# Altium PCB Dahlia Carrier Board.PcbDoc (part 3 of 10)
Units mm, origin at the board's own origin, x right, y up, seen from the top; angles counter-clockwise.
Board outline 120 x 120 mm, 6 copper layers (Top Layer, GND, Layer 1, Layer 2, GND2, Bottom Layer), stack 1.558 mm thick; 879 components, 677 nets, 3194 pads, 1445 vias.
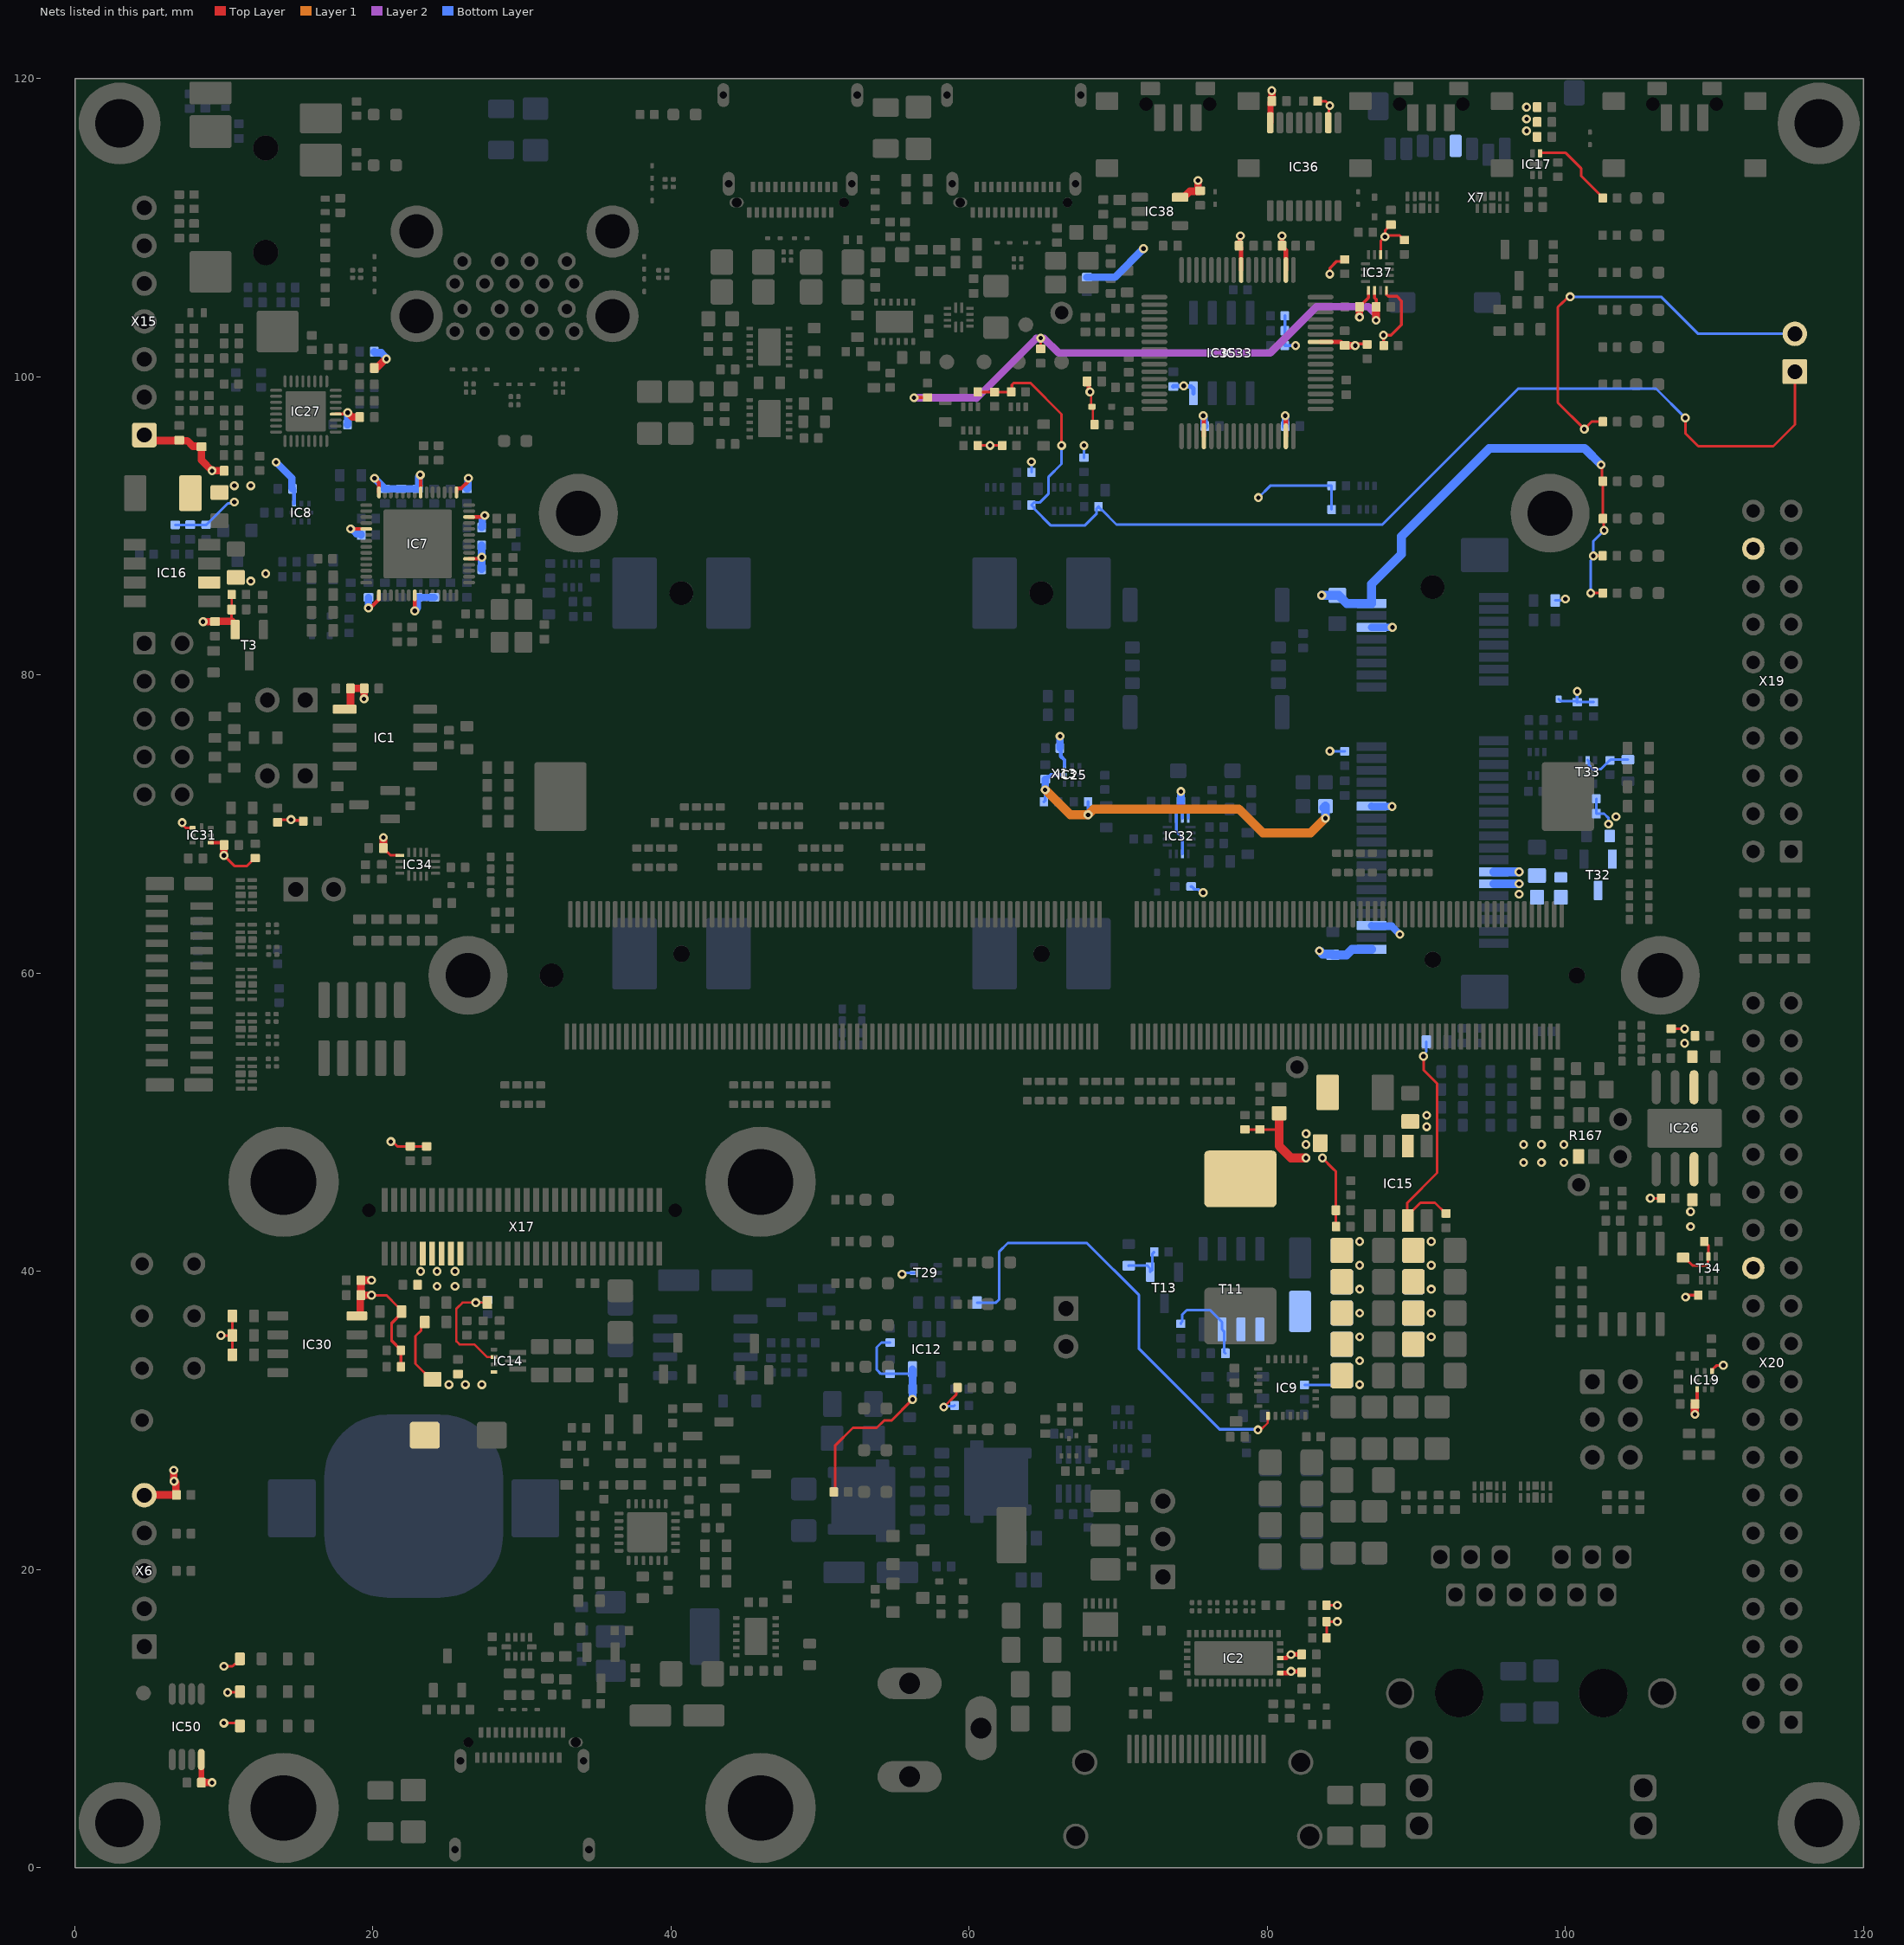
[diagram p7: the nets of this part, all layers, seen from the top]

## Footprints (in the part's own frame and the unit in brackets; to place one, negate y for a bottom-side part, rotate by r counter-clockwise, add the part's x,y. Pads: shape width x height; smd on the part's side, far side on the other; paste and mask are expansions set on the pad) (continued)
T_ONSEMI_NTMFS5C670NLT1G [mm]
  rrect30% 0.75x1 smd paste+0: 1(0,0) 2(1.27,0) 3(2.54,0) 4(3.81,0)
  rrect30% 0.6x0.905 smd paste+0: 5(-0.575,2.35) 6(4.375,2.35)
  rrect5% 4.56x4.3 smd paste-0.9: 5(1.905,3.635)
  rrect30% 0.75x0.905 smd paste+0: 7(3.81,5.56) 8(0,5.56)
  silkscreen extent -0.66,-0.61 4.38,5.77, body extent -0.67,-0.28 4.48,5.87, height 1.1
T_PANASONIC_EXC14CH120U [mm]
  rrect50% 0.35x0.3 smd: 1(-0.275,0.25) 2(-0.275,-0.25) 3(0.275,-0.25) 4(0.275,0.25)
  silkscreen extent -0.17,-0.5 0.17,0.5, body extent -0.32,-0.42 0.32,0.42, height 0.45
T_QFN50P400X400X100-22N [mm]
  rrect35% 0.55x0.25 smd: 1(-1.9,1.25) 2(-1.9,0.75) 3(-1.9,0.25) 4(-1.9,-0.25) 5(-1.9,-0.75) 6(-1.9,-1.25) 12(1.9,-1.25) 13(1.9,-0.75) 14(1.9,-0.25) 15(1.9,0.25) 16(1.9,0.75) 17(1.9,1.25)
  rrect35% 0.25x0.45 smd: 7(-1.25,-1.95) 8(-0.75,-1.95) 9(-0.25,-1.95) 10(0.75,-1.95) 11(1.25,-1.95)
  rrect35% 0.25x0.55 smd: 18(1.25,1.9) 19(0.75,1.9) 20(0.25,1.9) 21(-0.25,1.9) 22(-1.25,1.9)
  Top Layer region: -1.3,1.15 -1.322,1.117 -1.33,1.078 -1.33,1.078 -1.33,-1.875 -1.125,-1.875 -1.125,-1.75 -1.123,-1.74 -1.118,-1.732 -1.11,-1.727 -1.1,-1.725 -1.1,-1.725 -0.9,-1.725 -0.89,-1.727 -0.882,-1.732 -0.877,-1.74 -0.875,-1.75 -0.875,-1.75 -0.875,-1.775 -0.625,-1.775 -0.625,-1.75 -0.623,-1.74 -0.618,-1.732 -0.61,-1.727 -0.6,-1.725 -0.6,-1.725 -0.4,-1.725 -0.39,-1.727 -0.382,-1.732 -0.377,-1.74 -0.375,-1.75 -0.375,-1.75 -0.375,-1.775 -0.125,-1.775 -0.125,1.325 -0.129,1.344 -0.14,1.36 -0.156,1.371 -0.175,1.375 -0.175,1.375 -1.05,1.375 -1.073,1.37 -1.093,1.357 -1.093,1.357
  Top Layer region: 0.525,1.375 0.508,1.372 0.493,1.362 0.483,1.347 0.48,1.33 0.48,1.33 0.48,-1.68 0.483,-1.697 0.493,-1.712 0.508,-1.722 0.525,-1.725 0.525,-1.725 0.6,-1.725 0.61,-1.727 0.618,-1.732 0.623,-1.74 0.625,-1.75 0.625,-1.75 0.625,-1.775 0.875,-1.775 0.875,-1.75 0.877,-1.74 0.882,-1.732 0.89,-1.727 0.9,-1.725 0.9,-1.725 1.1,-1.725 1.11,-1.727 1.118,-1.732 1.123,-1.74 1.125,-1.75 1.125,-1.75 1.125,-1.8 1.255,-1.8 1.284,-1.794 1.308,-1.778 1.324,-1.754 1.33,-1.725 1.33,-1.725 1.33,1.32 1.326,1.341 1.314,1.359 1.296,1.371 1.275,1.375 1.275,1.375
  silkscreen extent -2.8,-2.05 2.05,2.05, body extent -2.05,-2.05 2.05,2.05, height 1
T_RAPC722X [mm] "Connector, 2.1mm (Dia), 5.5mm(Dia), Round Power Socket"
  oval 4.3x2.1 hole 1.4 slot 3.5 at 0 deg: 1(0,13.74) 2(0,7.49)
  oval 2.1x4.3 hole 1.4 slot 3.5 at 90 deg: 3(4.8,10.74)
  silkscreen extent -4.7,0 6.4,15.39, body extent -4.5,-0.2 5.02,14.4, height 10.92
T_RESC0603X30N [mm]
  rrect25% 0.65x0.85 smd: 1(-0.725,0) 2(0.725,0)
  body extent -0.85,-0.4 0.85,0.4, height 0.56
T_RESISTOR_ARRAY_X4 [mm]
  rrect30% 0.5x0.6 smd: 1(0,0) 2(0,-0.8) 3(0,-1.6) 4(0,-2.4) 5(1.3,0) 6(1.3,-0.8) 7(1.3,-1.6) 8(1.3,-2.4)
  silkscreen extent -0.47,-2.92 1.77,0.52, body extent -0.15,-2.8 1.45,0.4, height 0.51
T_SAMTEC_FTSH-105-01-L-DV [mm]
  rrect35% 0.76x2.4 smd: 1(-2.54,-1.95) 2(-2.54,1.95) 3(-1.27,-1.95) 4(-1.27,1.95) 5(0,-1.95) 6(0,1.95) 7(1.27,-1.95) 8(1.27,1.95) 9(2.54,-1.95) 10(2.54,1.95)
  silkscreen extent -3.43,-4.04 3.43,3.43, body extent -3.17,-2.92 3.18,2.92, height 6.1
T_SAMTEC_SSW-103-01-G-D [mm]
  rrect20% 1.65x1.65 hole 1: 1(0,0)
  round 1.65 hole 1: 2(0,2.54) 3(2.54,0) 4(2.54,2.54) 5(5.08,0) 6(5.08,2.54)
  silkscreen extent -1.65,-2.31 6.73,3.87, body extent -1.52,-1.21 6.6,3.75, height 8.52
T_SAMTEC_TSW-101-07-G-D [mm]
  rrect10% 1.65x1.65 hole 1: 1(0,0)
  round 1.65 hole 1: 2(0,2.54)
  silkscreen extent -1.4,-1.4 2.33,3.94, body extent -1.27,-1.27 1.27,3.81, height 8.4
T_SAMTEC_TSW-107-07-G-S [mm]
  rrect20% 1.65x1.65 hole 1: 1(0,0)
  round 1.65 hole 1: 2(2.54,0) 3(5.08,0) 4(7.62,0) 5(10.16,0) 6(12.7,0) 7(15.24,0)
  silkscreen extent -1.37,-2.19 16.74,1.37, body extent -1.27,-1.27 16.64,1.27, height 8.38
T_SAMTEC_TSW-110-07-G-D [mm]
  rrect20% 1.5x1.5 hole 0.9: 1(0,0)
  round 1.5 hole 0.9: 2(0,2.54) 3(2.54,0) 4(2.54,2.54) 5(5.08,0) 6(5.08,2.54) 7(7.62,0) 8(7.62,2.54) 9(10.16,0) 10(10.16,2.54) 11(12.7,0) 12(12.7,2.54) 13(15.24,0) 14(15.24,2.54) 15(17.78,0) 16(17.78,2.54) 17(20.32,0) 18(20.32,2.54) 19(22.86,0) 20(22.86,2.54)
  silkscreen extent -2.06,-1.48 24.26,3.94, body extent -1.27,-1.27 24.13,3.81, height 8.4
T_SAMTEC_TSW-120-07-G-D [mm] "Header, 2x20 Pins, 2.54 mm pitch, male"
  rrect20% 1.5x1.5 hole 0.9: 1(0,0)
  round 1.5 hole 0.9: 2(0,2.54) 3(2.54,0) 4(2.54,2.54) 5(5.08,0) 6(5.08,2.54) 7(7.62,0) 8(7.62,2.54) 9(10.16,0) 10(10.16,2.54) 11(12.7,0) 12(12.7,2.54) 13(15.24,0) 14(15.24,2.54) 15(17.78,0) 16(17.78,2.54) 17(20.32,0) 18(20.32,2.54) 19(22.86,0) 20(22.86,2.54) 21(25.4,0) 22(25.4,2.54) 23(27.94,0) 24(27.94,2.54) 25(30.48,0) 26(30.48,2.54) 27(33.02,0) 28(33.02,2.54) 29(35.56,0) 30(35.56,2.54) 31(38.1,0) 32(38.1,2.54) 33(40.64,0) 34(40.64,2.54) 35(43.18,0) 36(43.18,2.54) 37(45.72,0) 38(45.72,2.54) 39(48.26,0) 40(48.26,2.54)
  silkscreen extent -2.21,-1.27 49.53,3.81, body extent -1.27,-1.27 49.53,3.81, height 8.38
T_SOD-323 [mm]
  rrect20% 0.65x0.85 smd: 1(-1.115,0) 2(1.115,0)
  silkscreen extent -1.6,-0.8 0.33,0.5, body extent -1.25,-0.63 1.25,0.62, height 0.9
T_STUSB4500QTR [mm] "PQFN, 24-Leads, Body 4.00x4.00mm, Pitch 0.50mm, Thermal Pad 2.70x2.70mm, IPC Medium Density"
  rrect50% 0.6x0.25 smd: 1(-1.9,1.25) 2(-1.9,0.75) 3(-1.9,0.25) 4(-1.9,-0.25) 5(-1.9,-0.75) 6(-1.9,-1.25) 13(1.9,-1.25) 14(1.9,-0.75) 15(1.9,-0.25) 16(1.9,0.25) 17(1.9,0.75) 18(1.9,1.25)
  rrect50% 0.25x0.6 smd: 7(-1.25,-1.9) 8(-0.75,-1.9) 9(-0.25,-1.9) 10(0.25,-1.9) 11(0.75,-1.9) 12(1.25,-1.9) 19(1.25,1.9) 20(0.75,1.9) 21(0.25,1.9) 22(-0.25,1.9) 23(-0.75,1.9) 24(-1.25,1.9)
  rrect10% 2.7x2.7 smd paste-2: 25(0,0)
  silkscreen extent -2.8,-2.03 2.03,2.02, body extent -2.02,-2.02 2.02,2.02, height 1
T_TDFN0P120X160X60-4N [mm]
  rrect30% 0.3x0.55 smd: 1(-0.25,-0.725) 2(0.25,-0.725) 3(0.25,0.725) 4(-0.25,0.725)
  rrect20% 0.86x0.5 smd paste-0.05: 5(0,0)
  silkscreen extent -0.72,-1.27 0.65,0.85, body extent -0.63,-0.83 0.62,0.83, height 0.6
T_TI_TPS61022RWUR [mm]
  rrect30% 0.35x1.15 smd paste-5: 1(-0.55,-0.62) 3(0.55,-0.62)
  rrect30% 0.2x1.45 smd paste-5: 2(0,-0.469)
  rrect30% 0.25x0.45 smd: 4(0.751,0.98) 5(0.25,0.98) 6(-0.25,0.98) 7(-0.75,0.98)
  rrect50% 0.35x0.475 on Top Paste: ""(-0.55,-0.282) ""(-0.55,-0.958) ""(0.55,-0.283) ""(0.55,-0.958)
  rrect50% 0.2x0.625 on Top Paste: ""(-0.001,-0.058) ""(-0.001,-0.883)
  silkscreen extent -1,-1.34 -0.9,-1.24, body extent -1,-1 1,1, height 1
T_TP-SMD [mm]
  round 1 smd: 1(0,0)
  silkscreen extent -0.75,-0.75 0.75,0.75
T_TP-THT [mm]
  round 1.5 hole 0.9: 1(0,0)
  silkscreen extent -1,-1 1,1
T_TYCO_826936-3 [mm]
  rrect10% 1.65x1.65 hole 1: 1(0,0)
  round 1.65 hole 1: 2(2.54,0) 3(5.08,0)
  silkscreen extent -2.3,-1.27 6.35,1.27, body extent -1.27,-1.27 6.35,1.27, height 8.4
T_TYCO_826936-5 [mm]
  rrect10% 1.65x1.65 hole 1: 1(0,0)
  round 1.65 hole 1: 2(2.54,0) 3(5.08,0) 4(7.62,0) 5(10.16,0)
  silkscreen extent -1.27,-2.3 11.43,1.27, body extent -1.4,-1.27 11.43,1.27, height 8.38
T_WMF_TD-03XB [mm]
  rrect15% 1.5x1.2 smd: 1(4.75,2.25) 2(-4.75,2.25) 3(4.75,-2.25) 4(-4.75,-2.25)
  silkscreen extent -3.15,-3.15 3.15,3.15, body extent -5.15,-3 5.15,3, height 7.8
T_WURTH_693071010811 [mm] "MicroSD Holder, Push-Pust Type,"
  rrect30% 0.8x1.5 smd: 1(-8.94,10.7) 2(-7.84,10.3) 3(-6.74,10.7) 4(-5.64,10.9) 5(-4.54,10.7) 6(-3.44,10.9) 7(-2.34,10.7) 8(-1.24,10.7)
  rrect30% 1.4x1.7 smd: 9(-13.6,14.45)
  rrect30% 1.4x1.9 smd: 9(-0.45,13.55)
  rrect30% 1.8x1.4 smd: 10A(-2.05,0.4) 10B(-7.75,0.4)
  silkscreen extent -14.55,-0.56 0.51,15.75, body extent -14,0 0,19.65, height 1.83

## Part data
BAT1: library part BAT-Keystone-3000, "Battery Holder", Manufacturer Name=Keystone, Manufacturer Part No.=3000
C1 C2 C7 C8 C9 C10 C11 C16 C19 C24 C27 C29 C30 C31 C32 C33 C34 C36 C38 C39 C40 C41 C42 C47 C48 C49 C50 C51 C52 C53 C54 C60 C62 C76 C77 C82 C97 C99 C106 C107 C108 C109 C112 C116 C124 C126 C134 C135 C136 C137 C139 C140 C143 C148 C153 C154 C166 C167 C171 C174 C177 C180 C183 C187 C189 C190 C191 C192 C193 C194 C198 C200 C201 C202 C203 C204 C205 C206 C207 C208 C210 C212 C213 C214 C215 C219 C220 C222 C225 C226 C227 C229 C230 C231 C234 C235 C236 C299: library part C-X7R-100nF-16V-10%-0402, "Capacitor Ceramic X7R 100nF 16V 10% 0402", Rating=16V, Tolerance=10%, Type=X7R
C3 C61 C74 C78 C125 C129 C151 C152 C158 C188: library part C-X5R-1uF-16V-20%-0402, "Capacitor Ceramic X5R 1uF 16V 20% 0402", Rating=16V, Tolerance=20%, Type=X5R
C4 C13 C23 C58 C66 C132 C142 C146 C147 C149 C150 C223: library part C-X5R-10uF-10V-20%-0603, "Capacitor Ceramic X5R 10uF 10V 20% 0603", Rating=10V, Tolerance=20%, Type=X5R
C6: library part C-X7R-4.7nF-16V-10%-0603, "Capacitor Ceramic X7R 4.7nF 16V 10% 0603", Rating=16V, Tolerance=10%, Type=X7R
C12 C20 C25 C43 C44 C55 C56 C80 C98 C133 C181 C196 C228 C233: library part C-X7R-1nF-50V-10%-0402, "Capacitor Ceramic X7R 1nF 50V 10% 0402", Rating=50V, Tolerance=10%, Type=X7R
C14 C21 C26 C67 C68 C69 C70 C237 C238 C239 C241 C242 C243 C244 C245 C246 C265 C266 C267 C268 C269 C270 C271 C272: library part C-X5R-100uF-10V-20%-1206, "Capacitor Ceramic X5R 100uF 10V 20% 1206", Rating=10V, Tolerance=20%, Type=X5R
C15 C73 C92 C94 C117 C186 C273: library part C-X7R-10nF-50V-10%-0402, "Capacitor Ceramic X7R 10nF 50V 10% 0402", Rating=50V, Tolerance=10%, Type=X7R
C17 C71 C72 C93 C95 C101 C102 C103 C114 C232 C240 C247 C248 C249 C250 C251 C252 C253 C254 C255 C256 C257 C258 C259 C260 C261 C262 C263 C264: library part C-X5R-10uF-50V-20%-1206, "Capacitor Ceramic X5R 10uF 50V 20% 1206", Rating=50V, Tolerance=20%, Type=X5R
C18 C22 C130 C138 C185: library part C-X7R-1nF-2KV-10%-1206, "Capacitor Ceramic X7R 1nF 2KV 10% 1206", Rating=2KV, Tolerance=10%, Type=X7R
C28 C46 C96 C141 C162 C165 C195 C217 C221 C224: library part C-X5R-10u-6.3V-20%-0402, "Capacitor Ceramic X5R 10uF 6.3V 20% 0402", Rating=6.3V, Tolerance=20%, Type=X5R
C35 C37 C57 C216 C218: library part C-NP0-12p-50V-5%-0402, "Capacitor Ceramic NP0  12pF 50V 5% 0402", Rating=50V, Tolerance=5%, Type=NP0
C45 C59 C79 C157 C170 C173 C175 C178 C179 C182 C184 C197 C199 C209: library part C-X5R-4.7u-6.3V-20%-0402, "Capacitor Ceramic X5R 4.7uF 6.3V 20% 0402", Rating=6.3V, Tolerance=20%, Type=X5R
C63 C111 C119 C120 C121 C122 C123: library part C-X5R-4.7uF-10V-10%-0603, "Capacitor Ceramic X5R 4.7uF 10V 10% 0603", Rating=10V, Tolerance=10%, Type=X5R
  C111 C119 C120 C121 C122 C123: ClassName=Power_Poly
C64 C65 C105 C110 C113 C115 C131: library part C-X7R-100nF-50V-10%-0402, "Capacitor Ceramic X7R 100nF 50V 10% 0402", Rating=50V, Tolerance=10%, Type=X7R
C81 C83 C84 C85 C86 C87 C89 C90 C118: library part C-X5R-22uF-10V-20%-0805, "Capacitor Ceramic X5R 22uF 10V 20% 0805", Rating=10V, Tolerance=20%, ClassName=Power_Poly, Type=X5R
C88 C91 C100: library part C-X7R-100pF-50V-10%-0402, "Capacitor Ceramic X7R 100pF 50V 10% 0402", Rating=50V, Tolerance=10%, Type=X7R
C104: library part C-X7R-5.6n-100V-10%-1206, "Capacitor Ceramic X7R 5.6nF 100V 10% 1206", Rating=100V, Tolerance=10%, Type=X7R
C127 C128: library part C-X7R-330pF-50V-10%-0402, "Capacitor Ceramic X7R 330pF 50V 10% 0402", Rating=50V, Tolerance=10%, Type=X7R
C144 C145: library part C-X5R-47uF-10V-20%-0805, "Capacitor Ceramic X5R 47uF 10V 20% 0805", Rating=10V, Tolerance=20%, Type=X5R
C155 C156 C159 C168 C169: library part C-X7R-470p-50V-10%-0402, "Capacitor Ceramic X7R 470pF 50V 10% 0402", Rating=50V, Tolerance=10%, Type=X7R
C161 C164: library part C-X7R-220pF-50V-10%-0402, "Capacitor Ceramic X7R  220pF 50V 10% 0402", Rating=50V, Tolerance=10%, Type=X7R
C172 C176: library part C-X5R-2.2u-6.3V-20%-0402, "Capacitor Ceramic X5R 2.2uF 6.3V 20% 0402", Rating=6.3V, Tolerance=20%, Type=X5R
D1 D4 D5 D39 D40 D41: library part D-Diodes-D5V0L1B2S9-7, "BIDIRECTIONAL TVS DIODE 5V  SOD923", Manufacturer Name=Diodes, Manufacturer Part No.=D5V0L1B2S9-7
D2 D3 D6 D7 D8 D9 D10 D11 D12 D13 D14 D15 D16 D17 D21 D23 D25 D32 D33 D48 D49: library part D-OnSemi-ESD9101P2T5G, "ESD Protection Diode", Manufacturer Name=OnSemi, Manufacturer Part No.=ESD9101P2T5G
D18 D19 D22 D38 D47 D50 D51 D52: library part D-BAT54-SOD523, "Schottky Barrier Rectifier", Manufacturer Name="On Semi", Manufacturer Part No.=BAT54XV2T5G
D20 D24 D30: library part D-OnSemi-1N4148WT, "Diode Standard 75V 200mA Surface Mount SOD-523F", Manufacturer Name="On Semi", Manufacturer Part No.=1N4148WT
D26: library part D-Nexperia-PESD2IVN24-T, "TVS Array low cap", Manufacturer Name=Nexperia, Manufacturer Part No.=PESD2IVN24-T
D27 D31: library part D-OnSemi-MM3Z10VT1G, "DIODE ZENER 10V 300MW SOD323", Manufacturer Name=OnSemi, Manufacturer Part No.=MM3Z10VT1G
D28 D29 D36 D37 D42 D43 D44 D45 D46: library part D-Diodes-D3V3F4U10LP-7, "4 CHANNEL LOW CAPACITANCE TVS DIODE ARRAY", Manufacturer Name=Nexperia, Manufacturer Part No.=D3V3F4U10LP-7
IC1: library part IC-Microchip-MCP2558FDT-H/SN, "CAN FD Transceiver with Silent Mode", Manufacturer Name=Microchip, Package=SOIC-8, Temperature Range="-40C to +150C", Manufacturer Part No.=MCP2558FDT-H/SN
IC2: library part IC-ST-HDMI2C1-14HD, "ESD protection and signal conditioning for HDMI™ 2.0 source interface", Manufacturer Name=STMicroelectronics, Manufacturer Part No.=HDMI2C1-14HD
IC3 IC4 IC6: library part IC-A&O-AOZ1353DI-01, "5V/3A  Smart Current Limited Load Switch with True Reverse Current Blocking", Manufacturer Name="Alpha and Omega", Manufacturer Part No.=AOZ1353DI-01
IC5: library part IC-TI-TUSB321AIRWBR, "USB Type-C Configuration Channel Logic and Port Control with VCON", Manufacturer Name="Texas Instruments", Manufacturer Part No.=TUSB321AIRWBR
IC7: library part IC-Microchip-USB5744T-I/2G, "4-Port SS/HS USB 3.0 Controller Hub, VQFN-56, -40C to +85C", Manufacturer Name=Microchip, Package="QFN-56, Leadless (7mm x 7mm)", Temperature Range="-40C to +85C", Manufacturer Part No.=USB5744T-I/2G
IC8 IC19 IC25 IC31: library part IC-ONsemi-FXMA2102L8X, "Voltage Level Translator for I2C Applications", Manufacturer Name=ONSemi, Manufacturer Part No.=FXMA2102L8X
IC9: library part IC-A&O-AOZ2261AQI-15, "8A (Iout(max)) Synchronous Buck Regulator, QFN-22L (4mmx 4mm), Vin = 4V to 28V", Manufacturer Name="Alpha and Omega", Manufacturer Part No.=AOZ2261AQI-15
IC10: library part IC-LIN-LTC2954ITS8-2#PBF, "Push Button On/Off Controller", Manufacturer Name=Linear, Temperature Range="-40 +85", Manufacturer Part No.=LTC2954ITS8-2#PBF
IC11 IC24: library part IC-ON-NCV4274CST50T3G, "LDO regulator, Vout = 5V, Iout(max) = 0.4A, Vin = 5.5V to 40V, SOT-223", Manufacturer Name="ON Semiconductor", Manufacturer Part No.=NCV4274CST50T3G
IC12: library part IC-FAR-NC7SZ126M5X, "NC7SZ126M5X  Buffer Three-State Output", Manufacturer Name="Fairchild Semiconductor", Manufacturer Part No.=NC7SZ126M5X
IC13: library part IC-Rohm-BD4142HFV-TR, "Supervisor Open Drain or Open Collector 1 Channel HVSOF5", Manufacturer Name=Rohm, Manufacturer Part No.=BD4142HFV-TR
IC14: library part IC-TI-TPS61022RWUR, "Integrated Boost Regulator", Manufacturer Name="Texas Instruments", Manufacturer Part No.=TPS61022RWUR
IC15 IC16: library part IC-DIODES-PAM2310BECADJR-SOP8, "Integrated Buck Regulator", Manufacturer Name=Diodes, Manufacturer Part No.=PAM2310BECADJR-SOP8
IC17: library part IC-Microchip-MIC94073YMT, "High Side Load Switch, TDFN4 1.2 x 1.6", Manufacturer Name=Microchip, Package=TDFN-4, Manufacturer Part No.=MIC94073YMT
IC18: library part IC-LIN-LTC4368IDD-2#PBF, "Reverse Protection Controller with Bidirectional Circuit Breaker", Manufacturer Name=Linear, Manufacturer Part No.=LTC4368IDD-2#PBF
IC20: library part IC-A&O-AOZ1327DI-01, "20V Protection Switch with True Reverse Current Blocking", Manufacturer Name="Alpha and Omega", Manufacturer Part No.=AOZ1327DI-01
IC21: library part IC-TI-INA219BIDR, "CURRENT/POWER MONITOR with I2C Interface", Manufacturer Name="Texas Instruments", Manufacturer Part No.=INA219BIDR
IC22: library part IC-TI-BQ24392RSER, "USB Charger Detection", Manufacturer Name="Texas Instruments", Manufacturer Part No.=BQ24392RSER
IC23: library part IC-ST-STUSB4500QTR, "Standalone USB PD sink controller with short-to-VBUS protections", Manufacturer Name=ST, Package="24-QFN-EP (4x4)", Temperature Range="-40C to +105C", Manufacturer Part No.=STUSB4500QTR
IC26: "LDO TO 2A", Manufacturer Name=Semtech, Manufacturer Part No.=SC4215ASTRT
IC27: library part IC-CIRRUS-WM8904CGEFL/RV, "Stereo Audio Interface IC", Manufacturer Name=CIRRUS, Manufacturer Part No.=WM8904CGEFL/RV
IC30: library part IC-ST-M24C02-FMN6TP, "EEPROM, Serial I²C bus , SOIC-8, -40C to +85C", Manufacturer Name=ST, Package="SOIC-8 (3.9mm x4.9 mm)", Temperature Range="-40C to +85C", Manufacturer Part No.=M24C02-FMN6TP
IC32 IC34 IC37: library part IC-TI-SN74AVC4T774RSVR, "4 Bit Bidirectional l Voltage Level Translator, Configurable Direction, UFQFN-16 package", Manufacturer Name="Texas Instruments", Manufacturer Part No.=SN74AVC4T774RSVR
IC33: library part IC-FTDI-FT4232HL, "Quad High Speed USB to Multipurpose UART/MPSSE", Manufacturer Name=FTDI, Manufacturer Part No.=FT4232HL, Note="Quad USB to UART"
IC35: library part IC-MC-93LC46BT-I/SN, "EEPROM, 1k, 64x16, serial, SOIC8", Manufacturer Name=Microchip, Manufacturer Part No.=93LC46BT-I/SN
IC36: library part IC-TI-SN74HC595PW, "8-Bit Shift Registers With 3-State Output Registers", Manufacturer Name="Texas Instruments", Manufacturer Part No.=SN74HC595PW
IC38: library part IC-ON-NCP511SN33T1G, "NCP511SN33T1G LDO Regulator", Manufacturer Name="ON Semiconductor", Manufacturer Part No.=NCP511SN33T1G
IC50: library part IC-TI-TMP75CIDGKR, "Temperature Sensor Digital, Local -55°C ~ 125°C 11 b 8-VSSOP", Manufacturer Name="Texas Instruments", Manufacturer Part No.=TMP75CIDGKR
JP1 JP2 JP3 JP6 JP7: library part CON-Samtec-TSW-101-07-G-D, "Header male, 1x2 Pins, 2.54 mm pitch", Manufacturer Name=Samtec, Manufacturer Part No.=TSW-101-07-G-D, No. of ways=1x2, Pitch="2.54 mm"
JP4: library part CON-Tyco-826936-3-1X3-2.54mm-JP_1, "Jumper, 3-Pin", Manufacturer Name=Tyco, Manufacturer Part No.=826936-3, No. of ways=1X3, Pitch=2.54mm
L1 L4 L13 L21 L43: library part L-220R@100MHz-2A-25%-0603, "220R@100MHz 2A EMI FILTER", Rating=2A, Tolerance=25%
L2 L5 L6 L7 L9 L10 L11 L12 L33 L34 L35 L36 L37 L38 L39 L40 L47: library part L-Panasonic-EXC14CH120U-12R@100MHz-1000mA-25%, "Common Mode Choke High Speed 12R 100mA", Manufacturer Name=Panasonic, Manufacturer Part No.=EXC14CH120U, Rating=100mA, Tolerance=25%
L3 L8 L22: library part L-33R@100MHz-3A-25%-0603, "33R@100MHz 3A EMI FILTER", Rating=3A, Tolerance=25%
L14: library part L-Pulse-PA4342.152NLT-1.5uH-16A-20%, "Inductance 1.5uH, 20%, Irms=16A, Isat=33A, DCR=4.6 mOhm", Manufacturer Name=Pulse, Manufacturer Part No.=PA4342.152NLT, Rating=16A, Tolerance=20%, ClassName=Power_Poly, I (RMS)=16A, I (saturation)=33A
L15: library part L-Pulse-PA4340.102NLT-1uH-7A-20%, "Inductance 1uH, 20%, Irms=7A, Isat=11A, DCR=14 mOhm", Manufacturer Name=Pulse, Manufacturer Part No.=PA4340.102NLT, Rating=7A, Tolerance=20%, I (RMS)=7A, I (saturation)=11A
L16: library part L-Bourns-SRP4020TA-2R2M-2.2uH-4A-20%, "2.2µH Shielded Wirewound Inductor 4A 61mOhm Max 2-SMD", Manufacturer Name=Bourns, Manufacturer Part No.=SRP4020TA-2R2M, Rating=4A, Tolerance=20%, ClassName=Power_Poly, I (RMS)=4A, I (saturation)=6A
L17: library part L-Bourns-SRP4020TA-1R2M-1.2uH-4.8A-20%, "1.2µH Shielded Wirewound Inductor 4.8A 30mOhm", Manufacturer Name=Bourns, Manufacturer Part No.=SRP4020TA-1R2M, Rating=4.8A, Tolerance=20%, ClassName=Power_Poly, I (RMS)=4.8A, I (saturation)=7.8A
L18 L19 L20 L48: library part L-Laird-35F0121-0SR-10-10A-25%, "Power Supply FB 10A", Rating=10A, Tolerance=25%, ClassName=Power_Poly
L23 L24 L25 L26 L27 L28 L29 L30 L31: library part Lemv-5R-500mA-25%-0402, "5R@100MHz 500mA EMI FILTER", Manufacturer=Murata, Manufacturer Part No.=BLM15BB050SN1D, Rating=500mA, Tolerance=25%
L44 L45: library part Lemv-120R-600mA-25%-0402, "120R@100MHz 600mA EMI FILTER", Rating=600mA, Tolerance=25%
LED1 LED2 LED3 LED4 LED5 LED7 LED11 LED12 LED14 LED15 LED16 LED17 LED18 LED19 LED20 LED21 LED22 LED28 LED29: library part LED-LiteOn-LTST-C190GKT, "LED green Lite-ON LTST-C190GKT", Color=GREEN, Manufacturer Name=Lite-ON, Manufacturer Part No.=LTST-C190GKT
LED6 LED8 LED10 LED13: library part LED-LiteOn-LTST-C190KRKT, "LED red, Lite-On LTST-C190KRKT", Color=RED, Manufacturer Name=Lite-On, Manufacturer Part No.=LTST-C190KRKT
LED23 LED24 LED25 LED26 LED27: library part LED-LiteOn-LTST-C190KSKT, "LED yellow Lite-On LTST-C190KSKT", Color=YELLOW, Manufacturer Name=Lite-On, Manufacturer Part No.=LTST-C190KSKT
MECH1: library part MECH-Molex-48099-5701, "Mini-PCIe Latch", Manufacturer Name=Molex, Manufacturer Part No.=48099-5701
MECH2 MECH3: library part MECH-Wurth-9774070243R, "Round Standoff M2x0.4 (7.00mm)", Manufacturer Name=Wurth, Manufacturer Part No.=9774070243R
MECH4 MECH5 MECH6 MECH7: library part MECH-Wurth-9774080360R, "Round Standoff M3x0.5 (8.00mm)", Manufacturer Name=Wurth, Manufacturer Part No.=9774080360R
MECH8 MECH9: library part MECH-Wurth-9774025243R, "Round Standoff M2x0.4 (2.50mm)", Manufacturer Name=Wurth, Manufacturer Part No.=9774025243R
MECH12 MECH13 MECH14 MECH15 MECH16 MECH17 MECH18 MECH19 MECH20 MECH21 MECH22 MECH24 MECH25 MECH26 MECH27 MECH28: "Fiducial"
MECH23: "CE Marking"
OSC1: library part OSC-Qantek-QC3225.0000H47R3, "25MHz Crystal Oscillator, Qantek QC3225.0000H47R3, 20ppm, -40C to +85C, 10pF", Manufacturer Name=QANTEK, Package="3.2mm X 2.5mm", Temperature Range="-40C to +85C", Tolerance="+/- 20 ppm", Manufacturer Part No.=QC3225.0000H47R3